# Altium PCB clock_core_PCB.PcbDoc (part 1 of 3) (continued)
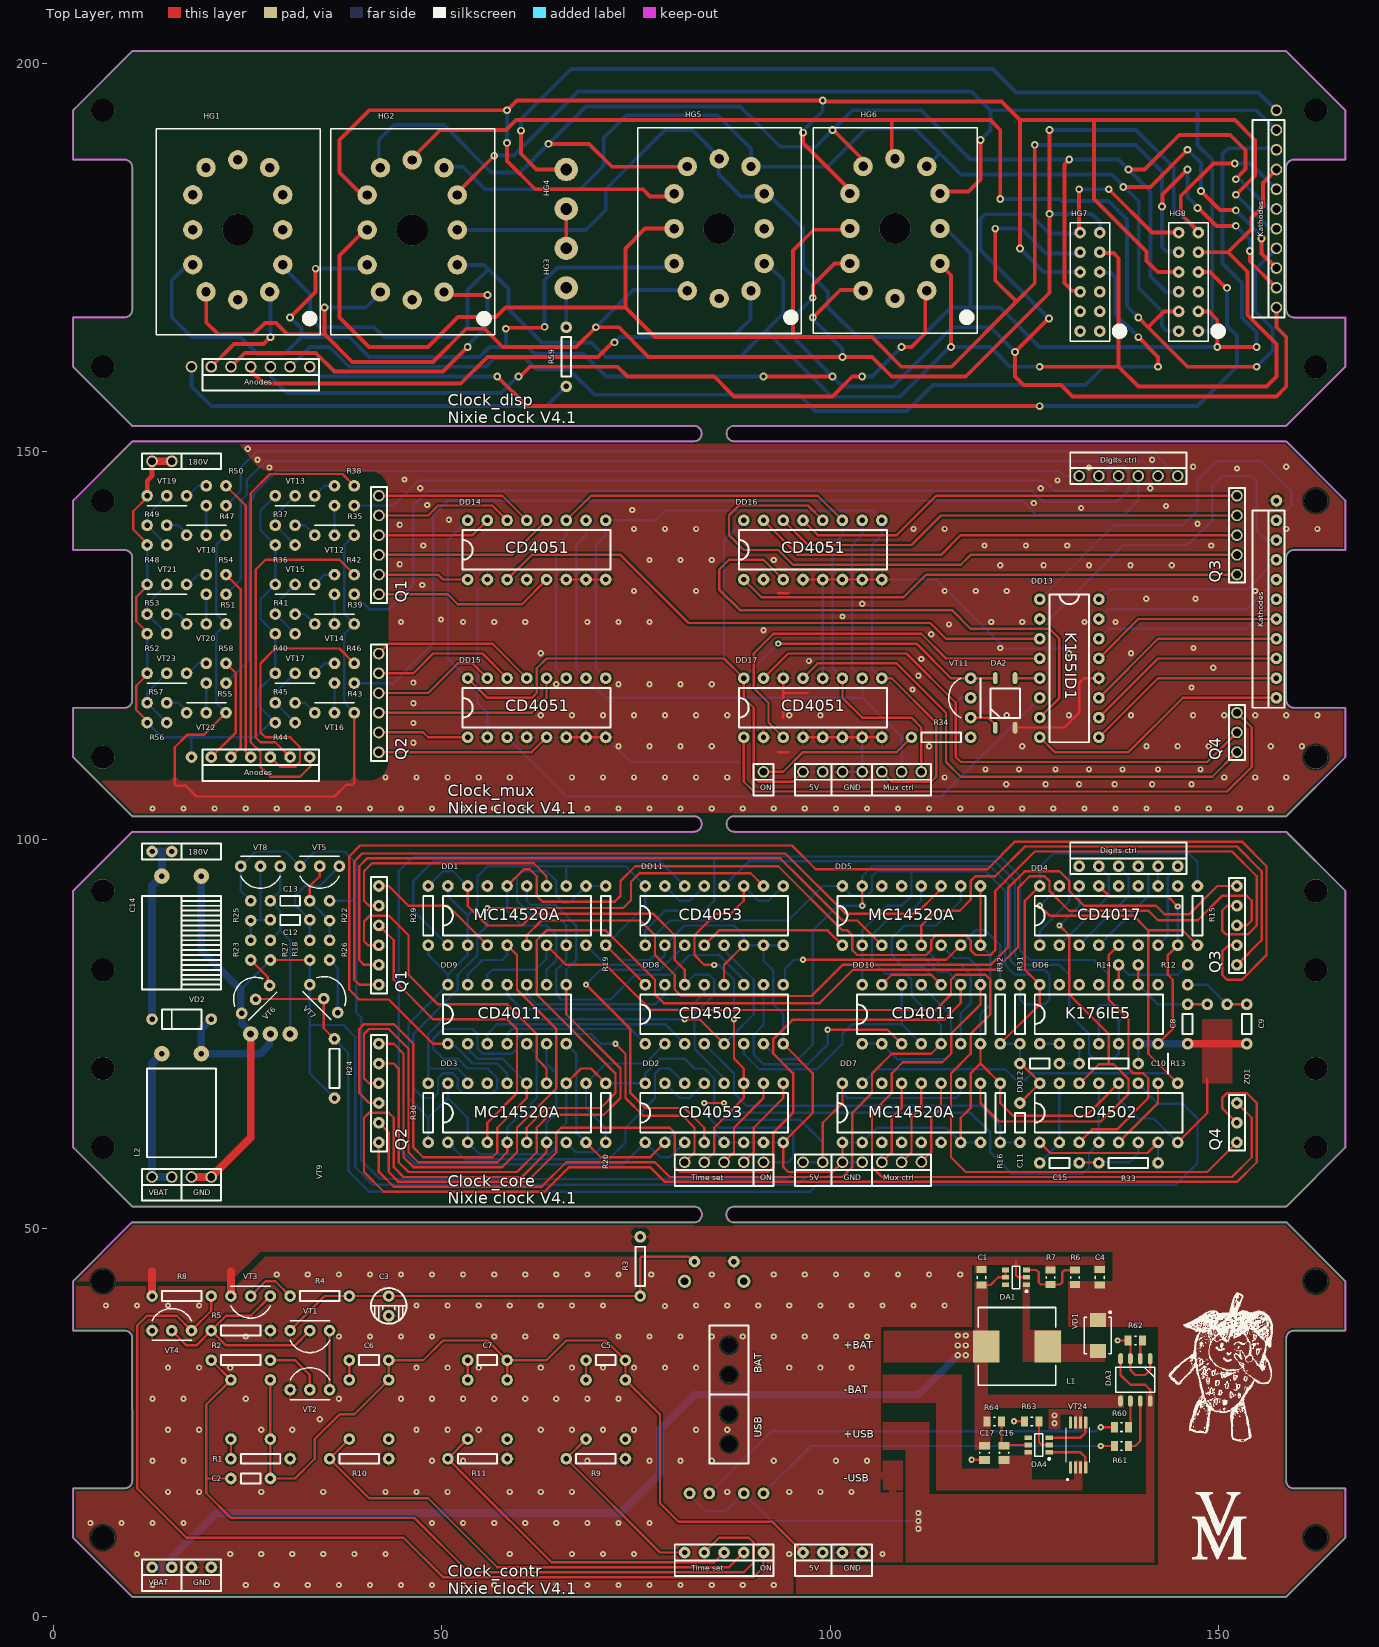
[diagram p0: Top Layer view]
## Components (designator, comment, footprint, x,y, rotation, side; value= is the part's Value field where it differs from the comment) (continued)
R4 "R" RES-DIP 38.1,41.275 r180 top value="100 k"
R5 "R" RES-DIP 27.94,36.83 r180 top value="5.1 k"
R6 "R0805" RES0805 131.572,43.688 r270 top value=15k
R7 "R0805" RES0805 128.397,43.688 r270 top value=2k
R8 "R" RES-DIP 20.32,41.275 r180 top value="10 k"
R9 "R" RES-DIP 73.66,20.32 r180 top value="4.7 k"
R10 "R" RES-DIP 43.18,20.32 r180 top value="4.7 k"
R11 "R" RES-DIP 58.42,20.32 r180 top value="4.7 k"
R12 "R" RES-DIP-V 146.05,81.375 r90 top value=520k
R13 "R" RES-DIP 139.7,71.215 r180 top value=100k
R14 "R" RES-DIP-V 137.16,83.915 r0 top value=10M
R15 "R" RES-DIP 147.32,86.455 r90 top value="10 k"
R16 "R" RES-DIP 121.92,68.675 r270 top value=100k
R18 "R" RES-DIP-V 33.02,84.55 r90 top value=220R
R19 "R" RES-DIP 71.12,94.075 r270 top value=100k
R20 "R" RES-DIP 71.12,61.055 r90 top value=100k
R22 "R" RES-DIP-V 35.56,89.63 r90 top value=100k
R23 "R" RES-DIP-V 25.4,84.55 r90 top value=20k
R24 "R" RES-DIP 36.195,66.77 r90 top value=10k
R25 "R" RES-DIP-V 25.4,89.63 r90 top value=100k
R26 "R" RES-DIP-V 35.56,84.55 r90 top value=20k
R27 "R" RES-DIP-V 27.94,84.55 r90 top value=220R
R29 "R" RES-DIP 48.26,94.075 r270 top value=100k
R30 "R" RES-DIP 48.26,68.675 r270 top value=100k
R31 "R" RES-DIP 124.46,73.755 r90 top value=100k
R32 "R" RES-DIP 121.92,81.375 r270 top value=100k
R33 "R" RES-DIP 142.24,58.42 r180 top value=100k
R34 "R" RES-DIP 110.49,113.22 r0 top value=90k
R35 "R" RES-DIP-V 38.735,143.065 r180 top value="10 k"
R36 "R" RES-DIP-V 31.115,137.985 r180 top value="10 k"
R37 "R" RES-DIP-V 31.115,140.525 r180 top value="1 M"
R38 "R" RES-DIP-V 38.735,145.605 r180 top value="20 k"
R39 "R" RES-DIP-V 38.735,131.635 r180 top value="10 k"
R40 "R" RES-DIP-V 31.115,126.555 r180 top value="10 k"
R41 "R" RES-DIP-V 31.115,129.095 r180 top value="1 M"
R42 "R" RES-DIP-V 38.735,134.175 r180 top value="20 k"
R43 "R" RES-DIP-V 38.735,120.205 r180 top value="10 k"
R44 "R" RES-DIP-V 31.115,115.125 r180 top value="10 k"
R45 "R" RES-DIP-V 31.115,117.665 r180 top value="1 M"
R46 "R" RES-DIP-V 38.735,122.745 r180 top value="20 k"
R47 "R" RES-DIP-V 22.225,143.065 r180 top value="10 k"
R48 "R" RES-DIP-V 14.605,137.985 r180 top value="10 k"
R49 "R" RES-DIP-V 14.605,140.525 r180 top value="1 M"
R50 "R" RES-DIP-V 22.225,145.605 r180 top value="20 k"
R51 "R" RES-DIP-V 22.225,131.635 r180 top value="10 k"
R52 "R" RES-DIP-V 14.605,126.555 r180 top value="10 k"
R53 "R" RES-DIP-V 14.605,129.095 r180 top value="1 M"
R54 "R" RES-DIP-V 22.225,134.175 r180 top value="20 k"
R55 "R" RES-DIP-V 22.225,120.205 r180 top value="10 k"
R56 "R" RES-DIP-V 14.605,115.125 r180 top value="10 k"
R57 "R" RES-DIP-V 14.605,117.665 r180 top value="1 M"
R58 "R" RES-DIP-V 22.225,122.745 r180 top value="20 k"
R59 "R" RES-DIP 66.04,158.4 r90 top value="100 k"
R60 "R" RES0805 137.541,24.384 r0 top value=1k
R61 "R" RES0805 137.541,21.971 r0 top value=1k
R62 "R" RES0805 139.319,35.56 r0 top value=1.2k
R63 "R" RES0805 125.984,25.146 r0 top value=1k
R64 "R" RES0805 121.158,25.146 r180 top value=100
VD1 "SS34" DIOM4634X26N 134.493,36.195 r270 top
VD2 "1N4148" 1N4148 15.24,76.93 r0 top
VD3 "LED" LED_RED 84.455,15.875 r180 bottom
VD4 "LED" LED_RED 91.44,15.875 r180 bottom
VT1 "2N7000" 2N7000 35.56,36.83 r180 top
VT2 "2N7000" 2N7000 30.48,29.21 r0 top
VT3 "BC327" BC327 27.94,41.275 r180 top
VT4 "2N7000" 2N7000 12.7,36.83 r0 top
VT5 "BC327" BC327 36.83,96.615 r180 top
VT6 "2N7000" 2N7000 24.239,77.674 r45 top
VT7 "2N7000" 2N7000 33.02,81.375 r315 top
VT8 "BC327" BC327 29.21,96.615 r180 top
VT9 "IRF840" IRF840 30.48,75.025 r180 top
VT11 "BC327" BC327 118.11,115.76 r90 top
VT12 "2N5551" 2N5551 38.735,139.255 r180 top
VT13 "2N5401" 2N5401 28.575,144.335 r0 top
VT14 "2N5551" 2N5551 38.735,127.825 r180 top
VT15 "2N5401" 2N5401 28.575,132.905 r0 top
VT16 "2N5551" 2N5551 38.735,116.395 r180 top
VT17 "2N5401" 2N5401 28.575,121.475 r0 top
VT18 "2N5551" 2N5551 22.225,139.255 r180 top
VT19 "2N5401" 2N5401 12.065,144.335 r0 top
VT20 "2N5551" 2N5551 22.225,127.825 r180 top
VT21 "2N5401" 2N5401 12.065,132.905 r0 top
VT22 "2N5551" 2N5551 22.225,116.395 r180 top
VT23 "2N5401" 2N5401 12.065,121.475 r0 top
VT24 "FS8205 Fortune" TSSOP8 131.953,22.098 r90 top value=FS8205
X1 "wake_up_button" WAKE-UP-BUTTON 87.63,45.72 r180 bottom
X2 "button" button 27.94,22.86 r180 bottom
X3 "button" button 73.66,22.86 r180 bottom
X4 "button" button 43.18,22.86 r180 bottom
X5 "button" button 58.42,22.86 r180 bottom
ZQ1 "HZ" HZ 151.13,78.835 r180 top

## Footprints (in the part's own frame and the unit in brackets; to place one, negate y for a bottom-side part, rotate by r counter-clockwise, add the part's x,y. Pads: shape width x height; smd on the part's side, far side on the other; paste and mask are expansions set on the pad)
1N4148 [mm]
  round 1.5 hole 0.7: 1(-2.54,0) 2(5.08,0)
  silkscreen extent -1.27,-1.27 3.81,1.27, body extent -2.82,-1.14 5.36,1.14, height 2.78
2N5401 [mm]
  round 1.5 hole 0.7: 1(0,0) 2(2.54,0) 3(5.08,0)
  silkscreen extent 0,-1.27 5.08,-1.27, body extent -0.2,-1.6 5.29,2.6, height 11.33
2N5551 [mm]
  round 1.5 hole 0.7: 1(0,0) 2(2.54,0) 3(5.08,0)
  silkscreen extent 0,-1.27 5.08,-1.27, body extent -0.2,-1.6 5.29,2.6, height 11.33
2N7000 [mm]
  round 1.5 hole 0.7: 1(0,0) 2(2.54,0) 3(5.08,0)
  silkscreen extent 0,-1.27 5.08,2.84, body extent -0.2,-1.6 5.29,2.6, height 11.33
BC327 [mm]
  round 1.5 hole 0.7: 1(0,0) 2(2.54,0) 3(5.08,0)
  silkscreen extent 0,-1.27 5.08,2.84, body extent -0.2,-1.6 5.29,2.6, height 11.33
button [mm]
  round 1.5 hole 0.7: 1(0,0) 2(0,7.62) 3(5.08,7.62) 4(5.08,0)
  silkscreen extent 0,1.27 5.08,6.35, body extent -0.46,-0.29 5.54,7.91, height 9.5
CAP0805#1 [mm] "Chip Capacitor, 2-Leads, Body 2,00x1,25mm, IPC Medium Density"
  rect 0.9x1.35 smd: 1(-1,0) 2(1,0)
  silkscreen extent -0.15,-0.58 0.15,0.58, body extent -1.05,-0.65 1.05,0.65, height 0.6
CAP0805#2 [mm] "Chip Capacitor, 2-Leads, Body 2,00x1,25mm, IPC Medium Density"
  rect 1x1.4 smd: 1(-0.925,0) 2(0.925,0)
  silkscreen extent -0.05,-0.6 0.05,0.6, body extent -1,-0.63 1,0.63, height 0.7
CAP_HIGH_VOLT [mm]
  round 2 hole 0.7: 1(0,0) 2(5.08,0)
  silkscreen extent -2.54,-14.6 7.62,-2.54, body extent -2.46,-14.4 7.54,0.3, height 10.1
CAP_POL [mm]
  round 1.5 hole 0.7: 1(0,0) 2(2.54,0)
  silkscreen extent -1.02,-2.29 3.56,2.29, body extent -1.23,-2.5 3.77,2.5, height 12
CAP_THT [mm]
  round 1.5 hole 0.7: 1(0,0) 2(5.08,0)
  silkscreen extent 1.27,-0.64 3.81,0.64, body extent -0.29,-1.27 5.37,1.19, height 5.5
CPC1008NTR [mm]
  oval 0.6x1.54 smd: 1(0,0) 2(2.54,0) 3(2.54,6.39) 4(0,6.39)
  silkscreen extent -0.64,1.27 3.17,5.08
DIOM4634X26N [mm] "Molded Diode, 2-Leads, Body 4,60x3,40mm, IPC Medium Density"
  rect 1.8x2.05 smd: 1(-1.975,0) 2(1.975,0)
  silkscreen extent -3.12,-1.75 2.35,1.75, body extent -2.57,-1.75 2.57,1.75, height 2.6
DIP-14 [mm]
  round 1.5 hole 0.7: 1(0,0) 2(0,-2.54) 3(0,-5.08) 4(0,-7.62) 5(0,-10.16) 6(0,-12.7) 7(0,-15.24) 8(7.62,-15.24) 9(7.62,-12.7) 10(7.62,-10.16) 11(7.62,-7.62) 12(7.62,-5.08) 13(7.62,-2.54) 14(7.62,0)
  silkscreen extent 1.27,-15.88 6.35,0.64, body extent -1.27,-17.12 8.89,1.88, height 8.63
DIP-16 [mm]
  round 1.5 hole 0.7: 1(0,0) 2(0,-2.54) 3(0,-5.08) 4(0,-7.62) 5(0,-10.16) 6(0,-12.7) 7(0,-15.24) 8(0,-17.78) 9(7.62,-17.78) 10(7.62,-15.24) 11(7.62,-12.7) 12(7.62,-10.16) 13(7.62,-7.62) 14(7.62,-5.08) 15(7.62,-2.54) 16(7.62,0)
  silkscreen extent 1.27,-18.41 6.35,0.64, body extent -1.27,-19.05 8.89,1.27, height 8.63
HZ [mm]
  round 1.5 hole 0.7: 1(0,0) 2(2.54,0)
IN-12-NO-SOKET [mm]
  round 2.5 hole 1.2: 1(4.1,-8) 2(5.8,-4.5) 3(5.8,0) 4(5.8,4.5) 5(4.1,8) 6(0,9) 7(-4.1,8) 8(-5.8,4.5) 9(-5.8,0) 10(-5.8,-4.5) 11(-4.1,-8) 12(0,-9)
  round 4 hole 4 unplated: ""(0,0)
  silkscreen extent -10.5,-13.5 10.6,13, body extent -10.5,-15.5 10.5,15.5, height 30
IN-17 [mm]
  round 1.5 hole 0.7: 1(2.54,7.62) 2(2.54,10.16) 3(2.54,12.7) 4(0,12.7) 5(0,10.16) 6(0,7.62) 7(0,5.08) 8(0,2.54) 9(0,0) 10(2.54,0) 11(2.54,2.54) 12(2.54,5.08)
  silkscreen extent -1.27,-1.27 5.58,13.97
INA_TN_02 [mm]
  round 3 hole 1.5: 1(0,0) 2(5.08,0)
IND [mm]
  round 2 hole 0.7: 1(0,0) 2(5.08,0)
  silkscreen extent -1.91,-13.33 6.98,-1.91, body extent -1.71,-12.73 6.79,1.27, height 8.75
IRF840 [mm]
  round 2 hole 0.9: 1(0,0) 2(2.54,0) 3(5.08,0)
  body extent -2.71,-0.25 7.79,20, height 4.65
JP [mm] "Chip Resistor, 2-Leads, Body 2,00x1,25mm, IPC Medium Density"
  rect 0.5x0.5 smd: 1(-0.762,0) 2(0.5,0)
  Top Layer region: -0.762,0.25 -0.512,0.25 -0.262,0 -0.512,-0.25 -0.762,-0.25
  Top Layer region: 0,0.25 0.5,0.25 0.5,-0.25 0,-0.25 0.25,0
L_SMD [mm] "Precision Wire Wound Inductor, 2-Leads, Body 10,00x10,00mm, IPC Medium Density"
  rect 3.4x4.1 smd: 1(-3.95,0) 2(3.95,0)
  silkscreen extent -5,-5 5,5, body extent -5.1,-5 5.1,5, height 3.1
LED_RED [mil]
  round 60 hole 30: 1(0,0) 2(100,0)
  silkscreen extent 0,-71 100,71, body extent -26,-76 112,76, height 409
RES0805 [mm] "Chip Resistor, 2-Leads, Body 2,00x1,25mm, IPC Medium Density"
  rect 0.9x1.3 smd: 1(-0.925,0) 2(0.925,0)
  silkscreen extent -0.1,-0.55 0.1,0.55, body extent -1,-0.63 1,0.63, height 0.7
RES-DIP [mm]
  round 1.5 hole 0.7: 1(0,0) 2(7.62,0)
  silkscreen extent 1.27,-0.63 6.35,0.64, body extent -0.17,-1.17 7.79,1.14, height 2.51
RES-DIP-V [mm]
  round 1.5 hole 0.7: 1(0,0) 2(2.54,0)
  body extent -1.17,-1.14 2.69,1.16, height 8.18
SOIC-8 [mm] "SOIC, 8-Leads, Body 4,88x3,90mm, Pitch 1,27mm, IPC Medium Density"
  oval 1.45x0.6 smd: 1(-2.725,1.905) 2(-2.725,0.635) 3(-2.725,-0.635) 4(-2.725,-1.905) 5(2.725,-1.905) 6(2.725,-0.635) 7(2.725,0.635) 8(2.725,1.905)
  silkscreen extent -1.6,-2.5 1.6,2.5, body extent -2.95,-2.45 2.95,2.45, height 1.5
SOT23-6 [mm] "SOT23, 6-Leads, Body 2,85x2,80mm, Pitch 0,95mm, IPC Medium Density"
  rect 0.95x0.6 smd: 1(-1.35,0.95) 2(-1.35,0) 3(-1.35,-0.95) 4(1.35,-0.95) 5(1.35,0) 6(1.35,0.95)
  silkscreen extent -1.48,-1.45 0.5,1.92, body extent -0.87,-1.45 0.87,1.45, height 1.1
TSSOP8 [mm]
  rrect25% 1.56x0.4 smd: D12(-2.88,0.975) D12(2.88,0.975) G1(-2.88,-0.975) G2(2.88,-0.975) S1(-2.88,-0.325) S1(-2.88,0.325) S2(2.88,-0.325) S2(2.88,0.325)
  silkscreen extent -4.54,-1.52 2.25,1.52, body extent -3.2,-1.47 3.2,1.46, height 1.2
WAKE-UP-BUTTON [mm]
  round 1.5 hole 0.7: 1(0,0) 2(5.08,0)
  round 1.7 hole 1: ""(-1.27,-2.54) ""(6.35,-2.54)
  body extent -1.71,-4 6.79,3.15, height 0.5

## Part data
VT24: library part FS8205, Manufacturer=Fortune, ComponentLink1Description=Datasheet, ComponentLink1URL=https://datasheet.lcsc.com/szlcsc/Fortune-Semicon-FS8205_C32254.pdf, Part Number=FS8205
DA1: Name=SX1308
DA2: Name=CPC1008NTR
DD2 DD11: Name=CD4053
VD1: Name=SS34

## Free pads (board coordinates)
  round 1.5 hole 1: 5(15.24,148.78) 6(12.7,148.78) ""(12.7,56.61) ""(15.24,56.61) ""(17.78,56.61) ""(17.78,160.94) ""(20.32,56.61) ""(20.32,160.94) ""(22.86,160.94) ""(25.4,160.94) ""(27.94,160.94) ""(30.48,160.94) ""(33.02,160.94) ""(41.899,111.304) ""(41.899,113.844) ""(41.899,116.384) ""(41.899,118.924) ""(41.899,121.464) ""(41.899,124.004) ""(41.91,131.635) ""(41.91,134.175) ""(41.91,136.715) ""(41.91,139.255) ""(41.91,141.795) ""(41.91,144.335) ""(81.28,58.515) ""(83.82,58.515) ""(86.36,58.515) ""(88.9,58.515) ""(91.44,58.515) ""(91.44,108.775) ""(96.52,58.515) ""(96.52,108.775) ""(99.06,58.515) ""(99.06,108.775) ""(101.6,58.515) ""(101.6,108.775) ""(104.14,58.515) ""(104.14,108.775) ""(106.68,58.515) ""(106.68,108.775) ""(109.22,58.515) ""(109.22,108.775) ""(111.76,108.775) ""(111.777,58.552) ""(132.08,146.875) ""(134.62,146.875) ""(137.16,146.875) ""(139.7,146.875) ""(142.24,146.875) ""(144.78,146.875) ""(152.4,111.315) ""(152.4,113.855) ""(152.4,116.395) ""(152.4,134.175) ""(152.4,136.715) ""(152.4,139.255) ""(152.4,141.795) ""(152.4,144.335) ""(157.48,168.56) ""(157.48,171.1) ""(157.48,173.64) ""(157.48,176.18) ""(157.48,178.72) ""(157.48,181.26) ""(157.48,183.8) ""(157.48,186.34) ""(157.48,188.88) ""(157.48,191.42) ""(157.48,193.96)
  round 3 hole 3 unplated: ""(6.35,10.16) ""(6.35,43.18) ""(6.35,60.42) ""(6.35,70.58) ""(6.35,83.28) ""(6.35,93.44) ""(6.35,110.68) ""(6.35,143.7) ""(6.35,160.94) ""(6.35,193.96) ""(162.56,10.16) ""(162.56,43.18) ""(162.56,60.42) ""(162.56,70.58) ""(162.56,83.28) ""(162.56,93.44) ""(162.56,110.68) ""(162.56,143.7) ""(162.56,160.94) ""(162.56,193.96)
  round 1.5 hole 0.7: ""(12.7,6.35) ""(12.7,98.52) ""(15.24,6.35) ""(15.24,98.52) ""(17.78,6.35) ""(17.78,110.68) ""(20.32,6.35) ""(20.32,110.68) ""(22.86,110.68) ""(25.4,110.68) ""(27.94,110.68) ""(30.48,110.68) ""(33.02,110.68) ""(41.91,61.055) ""(41.91,63.595) ""(41.91,66.135) ""(41.91,68.675) ""(41.91,71.215) ""(41.91,73.755) ""(41.91,81.375) ""(41.91,83.915) ""(41.91,86.455) ""(41.91,88.995) ""(41.91,91.535) ""(41.91,94.075) ""(81.28,8.255) ""(83.82,8.255) ""(86.36,8.255) ""(88.9,8.255) ""(91.44,8.255) ""(96.52,8.255) ""(99.06,8.255) ""(101.6,8.255) ""(104.14,8.255) ""(132.08,96.615) ""(134.62,96.615) ""(137.16,96.615) ""(139.7,96.615) ""(142.24,96.615) ""(144.78,96.615) ""(152.4,61.055) ""(152.4,63.595) ""(152.4,66.135) ""(152.4,83.915) ""(152.4,86.455) ""(152.4,88.995) ""(152.4,91.535) ""(152.4,94.075) ""(157.48,118.3) ""(157.48,120.84) ""(157.48,123.38) ""(157.48,125.92) ""(157.48,128.46) ""(157.48,131) ""(157.48,133.54) ""(157.48,136.08) ""(157.48,138.62) ""(157.48,141.16) ""(157.48,143.7)
  round 2 hole 2 unplated: ""(86.995,22.225) ""(86.995,26.035) ""(86.995,31.115) ""(86.995,34.925)

## Via types
v1: diameter 0.8, hole 0.3, Top Layer to Bottom Layer, tented both sides, 384 vias
v2: diameter 1, hole 0.5, Top Layer to Bottom Layer, tented both sides, 63 vias

## Nets (pads, with @x,y where several pads share a name; then routed paths per layer and width w, separated by ;. In a path a pad name is that pad's centre, name@x,y a point inside that pad or via, vN(x,y) a via of type N, cw(c..) or ccw(c..) an arc to the next point about the centre after c; other vN are vias at no path point)
5V: C10.2 C11.2 DD1.2 DD1.10 DD1.16 DD2.16 DD3.2 DD3.10 DD3.16 DD4.16 DD5.2 DD5.16 DD6.14 DD7.10 DD7.16 DD8.16 DD9.14 DD10.14 DD11.16 DD12.16 pad.@96.52,58.515 pad.@99.06,58.515 R15.2 R19.2 R20.2 R22.2 R25.2 R29.2 R30.2 R31.1 R32.2 VT5.3 VT8.3 | length 485.3
  Top Layer w0.3: DD3.10@66.04,68.675 67.945,70.58 69.215,70.58 R20.2@71.12,68.675 ; R19.2@71.12,86.455 DD8.16@76.2,81.375 ; pad.@99.06,58.377 99.06,63.595 101.6,66.135 DD7.16@101.6,68.675 ; R32.2@121.92,73.755 127,78.835 DD6.14@127,81.375 125.095,83.28 125.095,92.17 DD4.16@127,94.075 ; C11.2@124.46,66.135 DD12.16@127,68.675 ; C10.2@124.608,71.215 DD12.16@127,68.823
  Bottom Layer w0.3: R25.2@25.4,92.17 24.13,93.44 VT8.3@24.13,96.615 26.035,98.52 29.845,98.52 VT5.3@31.75,96.615 33.655,98.52 37.465,98.52 38.989,96.996 38.989,92.17 ; R22.2@35.56,92.17 38.989,92.17 ; R30.2@48.26,61.055 48.26,64.23 ; R29.2@48.26,86.455 48.26,85.185 50.8,82.645 ; DD3.16@50.8,68.675 50.8,66.77 ; DD1.16@50.8,94.075 50.8,92.805 53.34,90.265 ; DD3.10@66.04,68.675 66.04,63.595 64.77,62.325 64.77,60.42 63.881,59.531 54.864,59.531 DD3.2@53.34,61.055 53.34,64.23 50.8,66.77 ; DD1.10@66.04,94.075 66.04,96.615 ; R20.2@71.12,68.675 DD2.16@76.2,68.675 76.2,69.945 78.105,71.85 81.28,71.85 82.55,70.58 83.82,70.58 85.09,69.31 85.09,64.865 85.979,63.976 96.139,63.976 97.282,62.833 99.06,61.055 pad.@99.06,58.515 pad.@96.52,58.515 94.361,56.356 42.037,56.356 39.624,58.769 39.624,77.184 38.989,77.819 38.989,92.17 ; DD7.16@101.6,68.675 101.6,67.405 102.235,66.77 116.205,66.77 116.84,67.405 DD7.10@116.84,68.675 ; DD10.14@104.14,81.375 DD5.2@104.14,86.455 104.14,88.36 107.315,91.535 109.22,91.535 110.49,92.805 110.49,95.98 ; R32.2@121.92,73.755 R31.1@124.46,73.755 C10.2@124.46,71.215 C10.2@124.608,71.215 ; DD12.16@127,68.675 DD12.16@127,68.823 ; DD6.14@127,81.375 125.73,82.645 123.825,82.645 122.555,83.915 122.555,93.44 120.015,95.98 110.49,95.98 ; DD4.16@127,94.075 127,96.52 128.781,98.301 146.174,98.301 147.32,97.155 R15.2@147.32,94.075 ; 48.26,64.23 45.72,66.77 45.72,76.295 DD9.14@50.8,81.375 50.8,82.645 ; 48.26,64.23 50.8,66.77 ; 50.8,82.645 53.34,85.185 DD1.2@53.34,86.455 53.34,90.265 ; 53.34,90.265 54.61,91.535 54.61,95.345 55.88,96.615 66.04,96.615 ; 66.04,96.615 73.66,96.615 DD11.16@76.2,94.075 76.2,91.535 R19.2@71.12,86.455 73.025,84.55 76.835,84.55 77.47,85.185 77.47,87.725 79.375,89.63 94.615,89.63 99.06,94.075 DD5.16@101.6,94.075 102.87,92.805 104.775,92.805 105.41,93.44 105.41,95.345 106.045,95.98 110.49,95.98
5V_C: C2.2 C4.2 C5.2 C6.2 C7.2 pad.@96.52,8.255 pad.@99.06,8.255 R3.2 R6.2 R8.2 VD1.1 VT3.3 X2.1 X2.2 X3.2 X4.2 X5.2 | length 122.1
  Top Layer w0.3: X2.2@27.94,30.48 X2.1@27.94,22.86 C2.2@27.94,17.78 31.115,17.78 33.655,20.32 33.655,22.86 36.83,26.035 38.735,26.035 X4.2@43.18,30.48 C6.2@43.18,33.02 47.625,33.02 50.165,35.56 55.88,35.56 C7.2@58.42,33.02 ; X5.2@58.42,30.48 C7.2@58.42,33.02 ; pad.@96.52,8.255 92.583,12.192 80.518,12.192 78.105,14.605 78.105,26.035 X3.2@73.66,30.48 C5.2@73.66,33.02 71.12,35.56 66.04,35.56 63.5,33.02 C7.2@58.42,33.02
  Top Layer w1: R8.2@12.7,41.275 12.7,44.45 ; VT3.3@22.86,41.275 22.86,44.45
5V_M: DA2.4 DD14.16 DD15.16 DD16.16 DD17.16 pad.@96.52,108.775 pad.@99.06,108.775 VT11.3 | length 145.4
  Top Layer w0.3: DD15.16@53.34,120.84 55.88,118.3 61.595,118.3 62.23,118.935 62.23,122.11 63.5,123.38 86.36,123.38 DD17.16@88.9,120.84 88.9,118.3 90.17,117.03 90.17,108.14 90.805,107.505 95.25,107.505 pad.@96.52,108.775 ; v1(93.345,125.285) 111.125,125.285 115.57,120.84 VT11.3@118.11,120.84 DA2.4@121.285,120.84
  Bottom Layer w0.3: DD15.16@53.34,120.84 50.8,123.38 50.8,138.62 DD14.16@53.34,141.16 ; DD16.16@88.9,141.16 86.36,138.62 86.36,123.38 DD17.16@88.9,120.84 v1(93.345,125.285) ; pad.@96.52,108.775 pad.@99.06,108.775
5V_USB: DA3.4 DA3.8 VD3.2 VD4.2 | length 43.2
  Top Layer w0.3: DA3.4@137.414,33.205 137.414,31.115 138.684,29.845 140.589,29.845 141.224,29.21 DA3.8@141.224,27.755
  Bottom Layer w0.3: VD3.2@81.915,15.875 81.915,15.621 83.947,13.589 86.614,13.589 VD4.2@88.9,15.875 92.456,12.319 v1(111.379,12.319)
  Bottom Layer w1: v1(111.379,11.303) v1(111.379,12.319) v1(111.379,13.335)
180V: C14.1 pad.@12.7,98.52 pad.@15.24,98.52 VD2.1 | length 24.7
  Bottom Layer w1: VD2.1@12.7,76.93 12.7,94.075 C14.1@13.97,95.345 13.97,98.52 ; pad.@12.7,98.52 13.97,98.52 ; pad.@15.24,98.52 13.97,98.52
180V_M: pad.5 pad.6 pad.@17.78,110.68 R36.2 R40.2 R44.2 R48.2 R52.2 R56.2 VT13.1 VT15.1 VT17.1 VT19.1 VT21.1 VT23.1 | length 94.8
  Top Layer w0.3: VT19.1@12.178,144.222 10.287,142.332 10.287,139.988 R48.2@12.29,137.985 ; R56.2@12.29,115.125 10.677,116.738 10.677,119.862 VT23.1@12.29,121.475 ; R52.2@12.29,126.555 10.677,128.168 10.677,131.292 VT21.1@12.29,132.905
  Top Layer w0.6: VT19.1@12.065,144.335 12.065,146.24 12.7,146.875 pad.6@12.7,148.78
  Top Layer w1: pad.6@12.7,148.78 pad.5@15.24,148.78
  Bottom Layer w0.3: R56.2@12.065,115.125 13.97,113.22 17.78,113.22 ; VT23.1@12.065,121.475 R52.2@12.065,126.555 ; VT21.1@12.065,132.905 R48.2@12.065,137.985 ; pad.@17.78,110.68 17.78,113.22 ; R44.2@27.94,115.125 26.035,113.22 17.78,113.22 ; R44.2@28.575,115.125 26.416,117.284 26.416,119.316 VT17.1@28.575,121.475 R40.2@28.575,126.555 26.67,128.46 26.67,131 VT15.1@28.575,132.905 R36.2@28.575,137.985 26.67,139.89 26.67,142.43 VT13.1@28.575,144.335
180V_P: pad.@17.78,160.94 R59.1 | length 52.9
  Bottom Layer w0.5: pad.@17.78,160.94 17.78,158.4 20.32,155.86 63.5,155.86 R59.1@66.04,158.4
A0: HG8.1 pad.@33.02,160.94 | length 138.8
  Top Layer w0.5: v2(57.15,159.67) 60.96,155.86 v2(127,155.86) ; HG8.1@147.44,173.14 148.946,173.14 150.986,171.1 v2(151.13,171.1)
  Bottom Layer w0.5: pad.@33.052,160.908 34.29,159.67 v2(57.15,159.67) ; v2(127,155.86) 147.32,155.86 152.4,160.94 152.4,164.94 151.13,166.21 v2(151.13,171.1)
A0_B: DD4.3 pad.@137.16,96.615 | length 13.3
  Bottom Layer w0.3: DD4.3@132.08,86.455 138.43,92.805 138.43,95.345 pad.@137.16,96.615
A0_BM: pad.@137.16,146.875 R35.1 | length 101.7
  Bottom Layer w0.3: R35.1@38.1,143.065 43.815,143.065 46.99,146.24 127.635,146.24 128.905,144.97 135.255,144.97 pad.@137.16,146.875
A0_M: pad.@33.02,110.68 R38.1 | length 59.4
  Top Layer w0.3: pad.@33.052,110.648 33.052,109.442 31.75,108.14 27.94,108.14 26.67,109.41 26.67,111.315 25.4,112.585 25.4,144.653 27.876,147.129 37.211,147.129 R38.1@38.735,145.605
A1: HG7.1 pad.@30.48,160.94 | length 135.6
  Top Layer w0.5: v2(139.7,164.75) 142.24,162.21 v2(142.24,160.94)
  Bottom Layer w0.5: pad.@30.48,160.94 33.02,163.48 35.56,163.48 38.1,160.94 55.62,160.94 56.76,162.08 60.741,162.08 62.241,160.58 66.4,160.58 69.65,157.33 96.01,157.33 98.115,155.225 109.905,155.225 113.262,158.582 132.897,158.582 135.255,160.94 v2(142.24,160.94) ; HG7.1@134.74,173.14 134.84,173.04 136.174,173.04 136.76,172.454 136.76,167.69 v2(139.7,164.75)
A1_B: DD4.2 pad.@134.62,96.615 | length 13.3
  Bottom Layer w0.3: DD4.2@129.54,86.455 135.89,92.805 135.89,95.345 pad.@134.62,96.615
A1_BM: pad.@134.62,146.875 R39.1 | length 121.5
  Bottom Layer w0.3: R39.1@38.1,131.635 R39.1@38.417,131.318 ; R39.1@38.735,131.635 40.64,129.73 43.18,129.73 46.355,132.905 46.355,143.065 47.625,144.335 48.26,144.97 125.984,144.97 127.381,143.573 137.033,143.573 138.43,144.97 138.43,147.51 137.795,148.145 135.89,148.145 pad.@134.62,146.875
A1_M: pad.@30.48,110.68 R42.1 | length 41.1
  Top Layer w0.3: pad.@30.48,110.68 28.575,112.585 26.67,112.585 26.035,113.22 26.035,134.81 27.305,136.08 36.83,136.08 R42.1@38.735,134.175
A2: HG6.1 pad.@27.94,160.94 | length 97.1
  Top Layer w0.5: v2(59.905,159.67) 60.121,159.67 61.391,160.94 72.65,160.94 73.92,159.67 85.09,159.67 87.63,157.13 100.33,157.13 102.87,159.67 v2(104.14,159.67) ; v2(109.22,163.48) 110.49,163.48 112.26,165.25 HG6.1@112.26,169.58
  Bottom Layer w0.5: pad.@27.94,160.94 27.992,160.888 27.992,159.666 30.077,157.58 57.674,157.58 59.764,159.67 v2(59.905,159.67) ; v2(104.14,159.67) 105.41,159.67 v2(109.22,163.48)
A2_B: DD4.4 pad.@139.7,96.615 | length 13.3
  Bottom Layer w0.3: DD4.4@134.62,86.455 140.97,92.805 140.97,95.345 pad.@139.7,96.615
A2_BM: pad.@139.7,146.875 R43.1 | length 125.7
  Bottom Layer w0.3: R43.1@38.1,120.205 R43.1@38.735,120.205 43.815,120.205 48.895,125.285 48.895,141.795 50.8,143.7 124.714,143.7 126.492,141.922 137.922,141.922 139.7,143.7 pad.@139.7,146.875
A2_M: pad.@27.94,110.68 R46.1 | length 34.9
  Top Layer w0.3: pad.@27.94,110.68 29.21,109.41 31.115,109.41 31.75,110.045 31.75,111.95 30.48,113.22 27.305,113.22 26.67,113.855 26.67,122.745 28.575,124.65 36.83,124.65 R46.1@38.735,122.745
A3: HG5.1 pad.@25.4,160.94 | length 71.6
  Top Layer w0.5: pad.@25.4,160.94 25.452,160.888 25.452,160.388 27.059,158.781 52.451,158.781 55.88,162.21 70.119,162.21 71.989,164.08 v2(72.26,164.08)
  Bottom Layer w0.5: v2(72.26,164.08) 72.93,164.75 87.43,164.75 89.74,167.06 HG5.1@89.74,169.72
A3_B: DD4.7 pad.@144.78,96.615 | length 11.2
  Bottom Layer w0.3: DD4.7@142.24,86.455 143.51,87.725 143.51,95.345 pad.@144.78,96.615
A3_BM: pad.@144.78,146.875 R47.1 | length 128.5
  Bottom Layer w0.3: R47.1@22.225,143.065 24.13,144.97 24.13,147.955 26.225,150.05 141.605,150.05 pad.@144.78,146.875
A3_M: pad.@25.4,110.68 R50.1 | length 36.6
  Top Layer w0.3: R50.1@21.946,145.884 24.765,143.065 24.765,111.331 25.4,110.696 pad.@25.4,110.68
A4: HG2.1 pad.@22.86,160.94 | length 47
  Top Layer w0.5: pad.@22.86,160.94 24.638,162.718 33.782,162.718 36.195,160.305 50.165,160.305 v2(53.34,163.48) ; HG2.1@50.305,170.56 50.685,170.18 v2(55.88,170.18)
  Bottom Layer w0.5: v2(53.34,163.48) 53.34,163.66 55.88,166.2 v2(55.88,170.18)
A4_B: DD4.10 pad.@142.24,96.615 | length 2.5
  Bottom Layer w0.3: DD4.10@142.24,94.075 pad.@142.24,96.615
A4_BM: pad.@142.24,146.875 R51.1 | length 135
  Bottom Layer w0.3: R51.1@22.225,131.635 24.13,133.54 24.13,143.7 24.892,144.462 24.892,146.367 27.305,148.78 140.335,148.78 pad.@142.24,146.875
A4_M: pad.@22.86,110.68 R54.1 | length 24.3
  Top Layer w0.3: R54.1@22.559,133.841 24.13,132.27 24.13,111.95 pad.@22.86,110.68
A5: HG1.1 pad.@20.32,160.94 | length 14.1
  Top Layer w0.5: pad.@20.32,160.94 23.241,163.861 27.051,163.861 v2(27.94,164.75)
  Bottom Layer w0.5: HG1.1@27.76,169.58 27.94,169.4 v2(27.94,164.75)
A5_B: DD4.1 pad.@132.08,96.615 | length 12.3
  Bottom Layer w0.3: DD4.1@127,86.455 127,88.265 130.81,92.075 130.81,95.345 pad.@132.08,96.615
A5_BM: pad.@132.08,146.875 R55.1 | length 133.6
  Bottom Layer w0.3: R55.1@22.225,120.205 25.146,123.126 25.146,143.446 25.781,144.081 25.781,144.526 28.765,147.51 129.54,147.51 130.175,146.875 pad.@132.08,146.875
A5_M: pad.@20.32,110.68 R58.1 | length 13.2
  Top Layer w0.3: pad.@20.32,110.68 23.495,113.855 23.495,121.475 R58.1@22.738,122.232
b_out1: DD11.13 DD11.15 | length 6.7
  Bottom Layer w0.3: DD11.15@78.74,94.075 80.645,92.17 81.915,92.17 DD11.13@83.82,94.075
b_out2: DD2.13 DD2.15 | length 6.7
  Bottom Layer w0.3: DD2.15@78.74,68.675 80.645,66.77 81.915,66.77 DD2.13@83.82,68.675
BAT: L2.1 pad.@12.7,56.61 pad.@15.24,56.61 | length 18.9
  Bottom Layer w1: L2.1@13.97,72.485 12.7,71.215 pad.@12.7,56.61 pad.@15.24,56.61
BAT-: C16.1 DA4.6 VT24.S1
BAT_C: C1.2 C17.2 DA1.4 DA1.5 DA3.5 L1.1 pad.@12.7,6.35 pad.@15.24,6.35 R64.2 | length 124.4
  Top Layer w0.3: C1.2@119.507,42.688 120.666,42.688 121.666,43.688 DA1.5@122.602,43.688 DA1.4@122.602,44.638 ; C17.2@119.888,22.007 C17.2@120.233,22.352 ; L1.1@119.957,34.613 L1.1@120.142,34.798
  Bottom Layer w1: pad.@12.7,6.35 pad.@15.24,6.35 15.24,7.62 20.955,13.335 73.025,13.335 78.105,18.415 78.105,24.13 82.55,28.575 111.379,28.575 v1(116.459,33.655)
  other v1: 117.475,33.655 116.459,34.925 117.475,34.925 116.459,36.195 117.475,36.195
BIT0: DD13.3 DD14.3 | length 74.4
  Top Layer w0.3: DD14.3@58.42,133.54 61.595,136.715 73.025,136.715 81.788,127.952 112.903,127.952 114.935,125.92 DD13.3@127,125.92